# Altium PCB vestibular_vampire.PcbDoc (part 2 of 2)
Units mm, origin at the board's own origin, x right, y up, seen from the top; angles counter-clockwise.
Board outline 54.8 x 58.9 mm, 2 copper layers (Top Layer, Bottom Layer), stack 1.335 mm thick; 92 components, 56 nets, 333 pads, 112 vias.
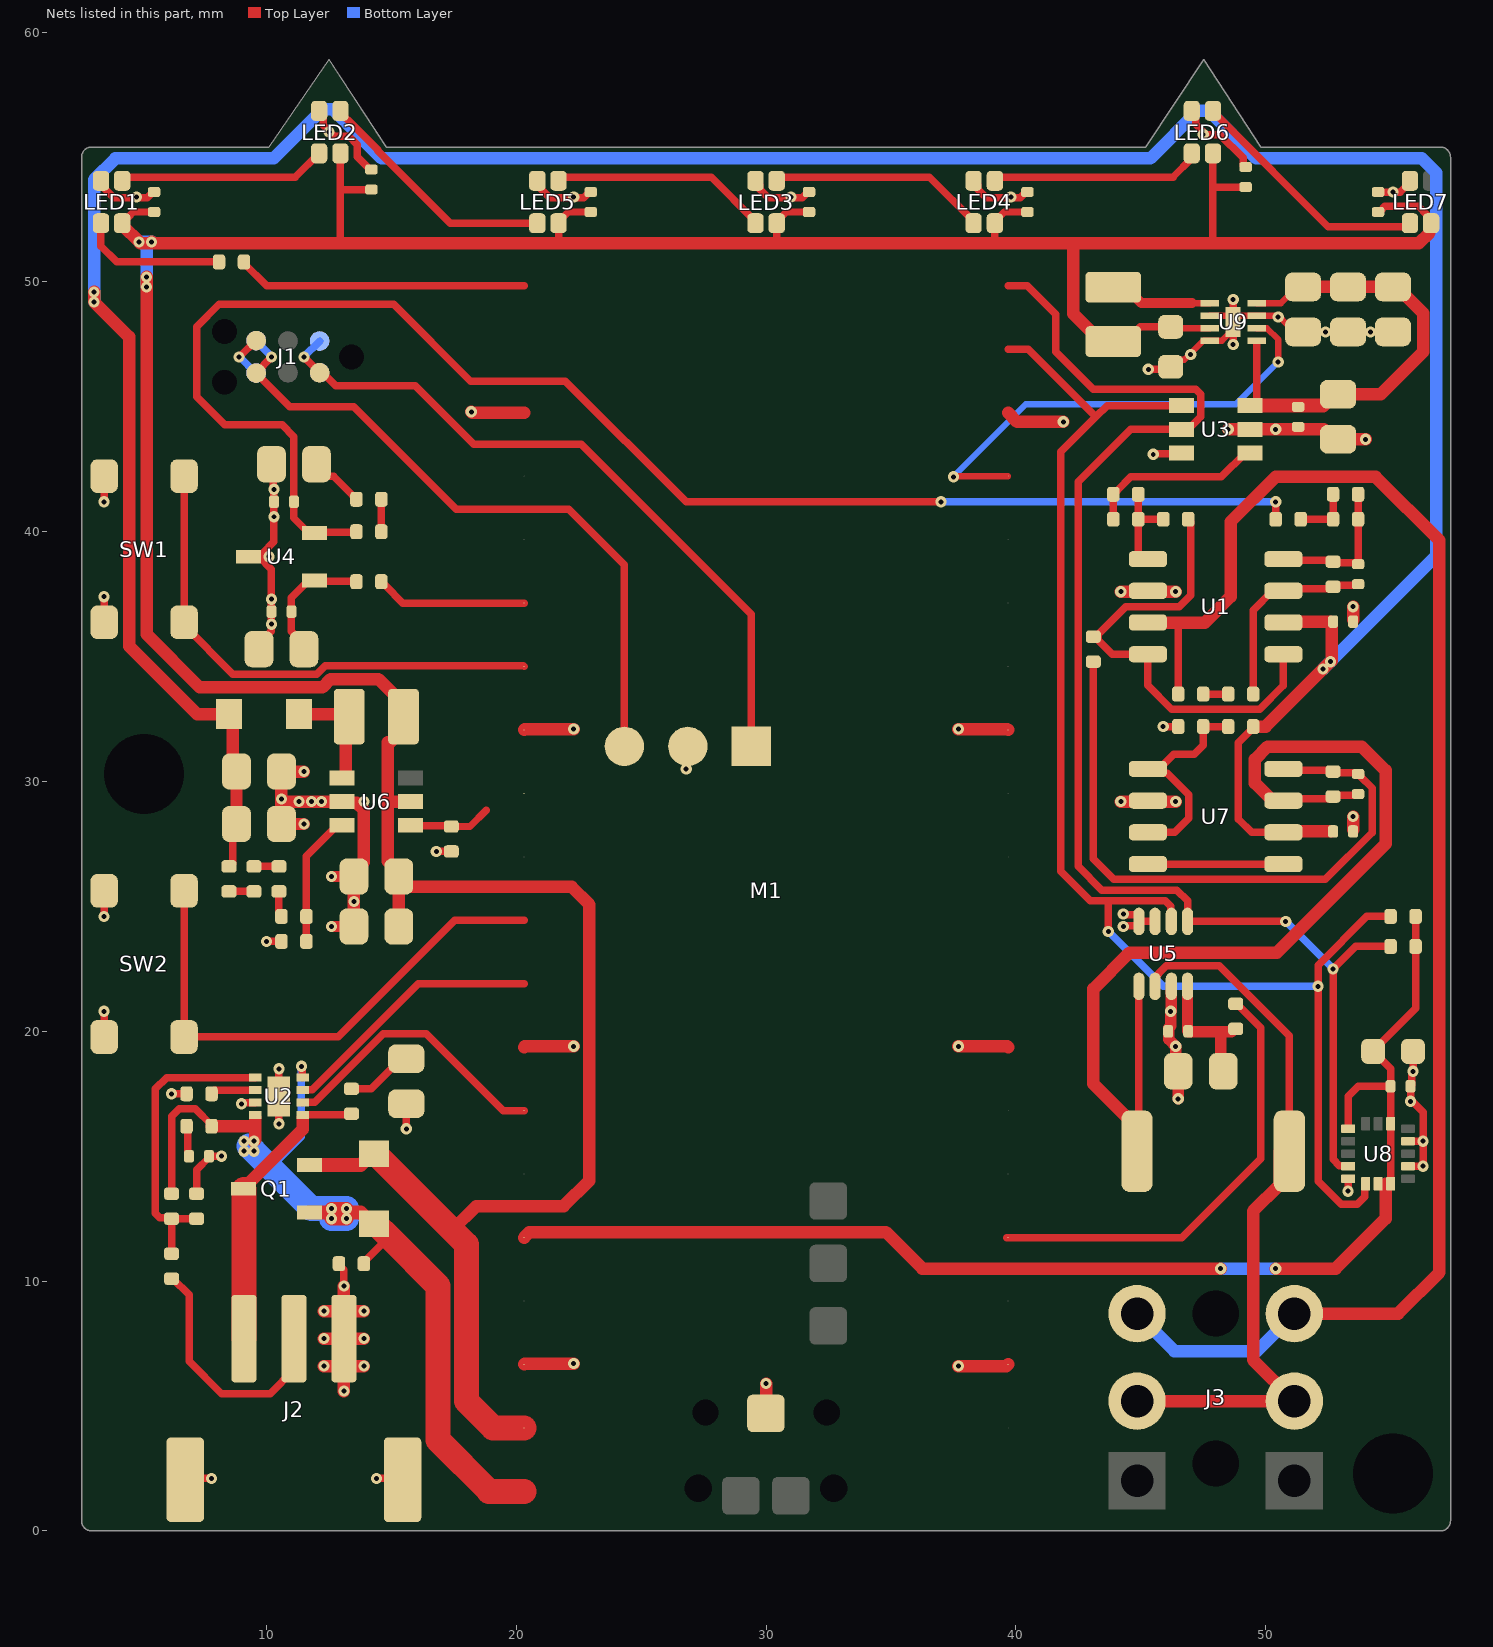
[diagram p2: the nets of this part, all layers, seen from the top]

## Part data (continued)
R4 R5 R20 R21 R26 R27 R31 R32 R33 R34 R35 R36 R37: "10 kΩ, 0402 Chip resistor", Case Code (Imperial)=0402, Case Code (Metric)=1005, Manufacturer=Yageo, Max Operating Temperature=155°C, Max Power Dissipation=63mW, Min Operating Temperature=-55°C, Power Rating=62.5mW, Resistance Tolerance=1%, Resistor Type="Thick Film", Supplier Part Number 1=311-10.0KLRCT-ND, Temperature Coefficient=100ppm/°C, Voltage Rating=50V, Case/Package=0402, Category="Chip SMD Resistors", ComponentLink1Description=https://datasheet.ciiva.com/12667/pyu-rc0402-51-rohs-l-6-r-12667067.pdf?src-supplier=Mouser, ComponentLink1URL=https://datasheet.ciiva.com/12667/pyu-rc0402-51-rohs-l-6-r-12667067.pdf?src-supplier=Mouser, Construction=Rectangular, Depth=0.5mm, Features="Moisture Resistant", house_part_number=R-10k-0402-1%-001, Lead Free=5697LeadFree, Lead Pitch=0.2mm, Length=1mm, Manufacturer Part Number=RC0402FR-0710KL, Military Standard=Not, Number of Terminations=2, Packaging="Tape and Reel", Pins=2, Pricing="1=0.1, 10=0.015, 50=0.0088, 100=0.0073, 500=0.00488, 1000=0.00417, 5000=0.00297 (USD)", Reach SVHC Compliant=Unknown, RoHS=Yes, RoHS Compliant=Yes, Series=RC, Stock=9380606, Supplier 1=Digikey, Termination=SMD/SMT, Tolerance=1%, Voltage Rating (DC)=50V, Width=0.5mm
R6: "6.8 kΩ, 0402 Chip resistor", Case Code (Imperial)=0402, Case Code (Metric)=1005, Manufacturer=Yageo, Max Operating Temperature=155°C, Max Power Dissipation=63mW, Min Operating Temperature=-55°C, Package Quantity=1, Resistance Tolerance=1%, Resistor Type="Thick Film", Supplier Part Number 1=311-6.80KLRTR-ND, Temperature Coefficient=100ppm/°C, Voltage Rating=50V, Case/Package=0402, Category="Chip SMD Resistors", ComponentLink1Description=https://datasheet.ciiva.com/11819/0900766b80c66297-11819535.pdf?src-supplier=Rs, ComponentLink1URL=https://datasheet.ciiva.com/11819/0900766b80c66297-11819535.pdf?src-supplier=Rs, ComponentLink2Description=https://datasheet.ciiva.com/2453/pyu-r-int-thick-7-2453500.pdf?src-supplier=Digikey, ComponentLink2URL=https://datasheet.ciiva.com/2453/pyu-r-int-thick-7-2453500.pdf?src-supplier=Digikey, ComponentLink3Description=https://datasheet.ciiva.com/2453/pyu-r-int-thick-7-2453501.pdf?src-supplier=Digikey, ComponentLink3URL=https://datasheet.ciiva.com/2453/pyu-r-int-thick-7-2453501.pdf?src-supplier=Digikey, ComponentLink4Description=https://datasheet.ciiva.com/2453/pyu-r-int-thick-7-2453499.pdf?src-supplier=Digikey, ComponentLink4URL=https://datasheet.ciiva.com/2453/pyu-r-int-thick-7-2453499.pdf?src-supplier=Digikey, ComponentLink5Description=https://datasheet.ciiva.com/12668/pyu-rc0402-51-rohs-l-6-r-12668201.pdf?src-supplier=Mouser, ComponentLink5URL=https://datasheet.ciiva.com/12668/pyu-rc0402-51-rohs-l-6-r-12668201.pdf?src-supplier=Mouser, ComponentLink6Description=https://datasheet.ciiva.com/7850/1018594-7850078.pdf?src-supplier=Element14, ComponentLink6URL=https://datasheet.ciiva.com/7850/1018594-7850078.pdf?src-supplier=Element14, ComponentLink7Description=https://datasheet.ciiva.com/7850/1018594-7850079.pdf?src-supplier=Element14, ComponentLink7URL=https://datasheet.ciiva.com/7850/1018594-7850079.pdf?src-supplier=Element14, ComponentLink8Description=https://datasheet.ciiva.com/16741/pyu-rc0402-51-rohs-l-6-r-16741018.pdf?src-supplier=Future+Electronics, ComponentLink8URL=https://datasheet.ciiva.com/16741/pyu-rc0402-51-rohs-l-6-r-16741018.pdf?src-supplier=Future+Electronics, Construction=Rectangular, Depth=0.5mm, Features="Moisture Resistant", Height=0.016inch, house_part_number=R-6.8k-0402-1%-001, Lead Free=5697LeadFree, Length=0.039inch, Manufacturer Part Number=RC0402FR-076K8L, Military Standard=Not, Number of Terminations=2, Packaging="Tape and Reel", Pins=2, Power Rating=63mW, Pricing 1="10000=0.00261, 20000=0.00231, 30000=0.00216, 50000=0.00199, 100000=0.00179 (USD)", Reach SVHC Compliant=No, RoHS=Yes, RoHS Compliant=Yes, Series=RC, Stock 1=627630, Supplier 1=Digikey, Technology="THICK FILM", Termination=SMD/SMT, Tolerance=1%, Voltage Rating (AC)=50V, Voltage Rating (DC)=50V, Width=0.02inch
R7: "1 kΩ, 0402 Chip resistor", Case Code (Imperial)=0402, Case Code (Metric)=1005, Manufacturer=Yageo, Max Operating Temperature=155°C, Max Power Dissipation=63mW, Min Operating Temperature=-55°C, Package Quantity=1, Power Rating=62.5mW, Resistance Tolerance=5%, Resistor Type="Thick Film", Supplier Part Number 1=311-1.0KJRCT-ND, Temperature Coefficient=100ppm/°C, Voltage Rating=50V, Case/Package=0402, Category="Chip SMD Resistors", ComponentLink1Description=https://datasheet.ciiva.com/7983/1018594-7983558.pdf?src-supplier=Element14, ComponentLink1URL=https://datasheet.ciiva.com/7983/1018594-7983558.pdf?src-supplier=Element14, ComponentLink2Description=https://datasheet.ciiva.com/2452/pyu-r-int-thick-7-2452756.pdf?src-supplier=Digikey, ComponentLink2URL=https://datasheet.ciiva.com/2452/pyu-r-int-thick-7-2452756.pdf?src-supplier=Digikey, ComponentLink3Description=https://datasheet.ciiva.com/2452/pyu-r-int-thick-7-2452757.pdf?src-supplier=Digikey, ComponentLink3URL=https://datasheet.ciiva.com/2452/pyu-r-int-thick-7-2452757.pdf?src-supplier=Digikey, ComponentLink4Description=https://datasheet.ciiva.com/2452/pyu-r-int-thick-7-2452755.pdf?src-supplier=Digikey, ComponentLink4URL=https://datasheet.ciiva.com/2452/pyu-r-int-thick-7-2452755.pdf?src-supplier=Digikey, ComponentLink5Description=https://datasheet.ciiva.com/7850/1018594-7850170.pdf?src-supplier=Element14, ComponentLink5URL=https://datasheet.ciiva.com/7850/1018594-7850170.pdf?src-supplier=Element14, ComponentLink6Description=https://datasheet.ciiva.com/7850/1018594-7850171.pdf?src-supplier=Element14, ComponentLink6URL=https://datasheet.ciiva.com/7850/1018594-7850171.pdf?src-supplier=Element14, ComponentLink7Description=https://datasheet.ciiva.com/17081/pyu-rc0402-51-rohs-l-6-r-17081438.pdf?src-supplier=Future+Electronics, ComponentLink7URL=https://datasheet.ciiva.com/17081/pyu-rc0402-51-rohs-l-6-r-17081438.pdf?src-supplier=Future+Electronics, Features="Moisture Resistant", Height=0.016inch, house_part_number=R-1k-0402-1%-001, Lead Free=5697LeadFree, Length=0.039inch, Manufacturer Part Number=RC0402JR-071KL, Number of Terminations=2, Packaging="Cut Tape", Pricing="1=0.1, 10=0.018, 50=0.0102, 100=0.0083, 500=0.00528, 1000=0.00444, 5000=0.00307 (USD)", Reach SVHC Compliant=No, RoHS=Yes, RoHS Compliant=Yes, Series=RC, Stock=15490862, Supplier 1=Digikey, Termination=SMD/SMT, Tolerance=5%, Voltage Rating (AC)=50V, Width=0.02inch
R10 R14 R15 R16 R17: "100 kΩ, 0402 Chip resistor", Case Code (Imperial)=0402, Case Code (Metric)=1005, Manufacturer=Yageo, Max Operating Temperature=155°C, Max Power Dissipation=63mW, Min Operating Temperature=-55°C, Package Quantity=1, Resistance Tolerance=1%, Resistor Type="Thick Film", Supplier Part Number 1=6468466, Temperature Coefficient=100ppm/°C, Voltage Rating=50V, Case/Package=0402, Category="Chip SMD Resistors", ComponentLink1Description=https://datasheet.ciiva.com/11819/0900766b80c66297-11819452.pdf?src-supplier=Rs, ComponentLink1URL=https://datasheet.ciiva.com/11819/0900766b80c66297-11819452.pdf?src-supplier=Rs, ComponentLink2Description=https://datasheet.ciiva.com/22747/1018594-22747509.pdf?src-supplier=Element14, ComponentLink2URL=https://datasheet.ciiva.com/22747/1018594-22747509.pdf?src-supplier=Element14, ComponentLink3Description=https://datasheet.ciiva.com/2453/pyu-r-int-thick-7-2453362.pdf?src-supplier=Digikey, ComponentLink3URL=https://datasheet.ciiva.com/2453/pyu-r-int-thick-7-2453362.pdf?src-supplier=Digikey, ComponentLink4Description=https://datasheet.ciiva.com/12667/pyu-rc0402-51-rohs-l-6-r-12667930.pdf?src-supplier=Mouser, ComponentLink4URL=https://datasheet.ciiva.com/12667/pyu-rc0402-51-rohs-l-6-r-12667930.pdf?src-supplier=Mouser, ComponentLink5Description=https://datasheet.ciiva.com/15189/getdatasheetpartid-323696-15189334.pdf?src-supplier=Verical, ComponentLink5URL=https://datasheet.ciiva.com/15189/getdatasheetpartid-323696-15189334.pdf?src-supplier=Verical, ComponentLink6Description=https://datasheet.ciiva.com/2453/pyu-r-int-thick-7-2453363.pdf?src-supplier=Digikey, ComponentLink6URL=https://datasheet.ciiva.com/2453/pyu-r-int-thick-7-2453363.pdf?src-supplier=Digikey, ComponentLink7Description=https://datasheet.ciiva.com/2453/pyu-r-int-thick-7-2453361.pdf?src-supplier=Digikey, ComponentLink7URL=https://datasheet.ciiva.com/2453/pyu-r-int-thick-7-2453361.pdf?src-supplier=Digikey, Construction=Rectangular, Depth=0.5mm, Features="Moisture Resistant", Height=0.016inch, house_part_number=R-100k-0402-1%-001, Lead Free=5697LeadFree, Length=0.039inch, Manufacturer Part Number=RC0402FR-07100KL, Military Standard=Not, Number of Terminations=2, Packaging="Tape and Reel", Power Rating=63mW, Pricing="10000=0.0012, 50000=0.0011, 100000=0.0011, 250000=0.001, 300000=0.001, 500000=0.001, 750000=0.001, 1500000=0.0009, 2000000=0.0009 (USD)", Reach SVHC Compliant=No, RoHS=Yes, RoHS Compliant=Yes, Series=RC, Stock=44340000, Supplier 1="Future Electronics", Technology="THICK FILM", Termination=SMD/SMT, Tolerance=1%, Voltage Rating (AC)=50V, Width=0.02inch
R25: "100 Ω, 0402 Chip resistor", Case Code (Imperial)=0402, Case Code (Metric)=1005, Manufacturer="Stackpole Electronics", Max Operating Temperature=155°C, Max Power Dissipation=63mW, Min Operating Temperature=-55°C, Power Rating=62.5mW, Resistance=100Ω, Resistor Type="Thick Film", Supplier Part Number 1=RMCF0402FT100RCT-ND, Temperature Coefficient=100ppm/°C, Tolerance=1%, Case/Package=0402, Category="Chip SMD Resistors", ComponentLink1Description=http://components.arrow.com/part/dataview/50497758S7215546N1174?src-supplier=Arrow+Electronics, ComponentLink1URL=http://components.arrow.com/part/dataview/50497758S7215546N1174?src-supplier=Arrow+Electronics, ComponentLink2Description=https://www.seielect.com/catalog/sei-rmcf_rmcp.pdf?src-supplier=Digi-Key, ComponentLink2URL=https://www.seielect.com/catalog/sei-rmcf_rmcp.pdf?src-supplier=Digi-Key, ComponentLink3Description=https://www.seielect.com/Catalog/SEI-RMCF_RMCP.pdf?src-supplier=Avnet, ComponentLink3URL=https://www.seielect.com/Catalog/SEI-RMCF_RMCP.pdf?src-supplier=Avnet, ComponentLink4Description=https://www.verical.com/server-webapp/html/getDatasheet?partID=368652&src-supplier=Verical, ComponentLink4URL=https://www.verical.com/server-webapp/html/getDatasheet?partID=368652&src-supplier=Verical, ComponentLink5Description=https://www.seielect.com/Catalog/SEI-RMCF_RMCP.pdf?src-supplier=Avnet+Asia, ComponentLink5URL=https://www.seielect.com/Catalog/SEI-RMCF_RMCP.pdf?src-supplier=Avnet+Asia, Construction=Rectangular, Contact Plating=Tin,Matte, Depth=0.5mm, Features="Automotive AEC-Q200", Height=0.016inch, house_part_number=R-100-0402-1%-001, Lead Free="Lead Free", Length=1mm, Manufacturer Part Number=RMCF0402FT100R, Military Standard=Not, Mount="Surface Mount", Number of Terminations=2, Packaging="Tape and Reel", Pricing 1="1=0.10000, 10=0.01300, 100=0.00530, 1000=0.00238, 2500=0.00207, 5000=0.00171 (USD)", RoHS=Yes, RoHS Compliant=Yes, Series=RMCF, Stock 1=188482, Supplier 1=Digi-Key, Width=0.02inch
R28: "30 Ω, 1%, 0402 Chip resistor", Case Code (Imperial)=0402, Case Code (Metric)=1005, Manufacturer="Yageo Group", Max Operating Temperature=155°C, Min Operating Temperature=-55°C, Power Dissipation=62.5mW, Power Rating=63mW, Supplier Part Number 1=311-30LRCT-ND, Temperature Coefficient=100ppm/°C, Tolerance=1%, Voltage Rating=50V, Case/Package=0402, Category="Chip SMD Resistors", China RoHS=Non-Compliant, ComponentLink1Description=https://datasheet.octopart.com:443/RC0402FR-0730RL-Yageo-datasheet-175887523.pdf?src-supplier=Newark, ComponentLink1URL=https://datasheet.octopart.com:443/RC0402FR-0730RL-Yageo-datasheet-175887523.pdf?src-supplier=Newark, ComponentLink2Description=https://datasheet.octopart.com:443/RC0402FR-0730RL-Yageo-datasheet-8324527.pdf?src-supplier=Newark, ComponentLink2URL=https://datasheet.octopart.com:443/RC0402FR-0730RL-Yageo-datasheet-8324527.pdf?src-supplier=Newark, ComponentLink3Description=https://datasheet.octopart.com:443/RC0402FR-0730RL-Yageo-datasheet-103092701.pdf?src-supplier=Upverter, ComponentLink3URL=https://datasheet.octopart.com:443/RC0402FR-0730RL-Yageo-datasheet-103092701.pdf?src-supplier=Upverter, ComponentLink4Description=https://datasheet.octopart.com:443/RC0402FR-0730RL-Yageo-Group-datasheet-189192902.pdf?src-supplier=TME, ComponentLink4URL=https://datasheet.octopart.com:443/RC0402FR-0730RL-Yageo-Group-datasheet-189192902.pdf?src-supplier=TME, ComponentLink5Description=https://datasheet.octopart.com:443/RC0402FR-0730RL-Yageo-datasheet-10408619.pdf?src-supplier=element14+APAC, ComponentLink5URL=https://datasheet.octopart.com:443/RC0402FR-0730RL-Yageo-datasheet-10408619.pdf?src-supplier=element14+APAC, ComponentLink6Description=https://datasheet.octopart.com:443/RC0402FR-0730RL-Yageo-datasheet-62067350.pdf?src-supplier=element14+APAC, ComponentLink6URL=https://datasheet.octopart.com:443/RC0402FR-0730RL-Yageo-datasheet-62067350.pdf?src-supplier=element14+APAC, ComponentLink7Description=https://datasheet.octopart.com:443/RC0402FR-0730RL-Yageo-datasheet-176638170.pdf?src-supplier=JRH+Electronics, ComponentLink7URL=https://datasheet.octopart.com:443/RC0402FR-0730RL-Yageo-datasheet-176638170.pdf?src-supplier=JRH+Electronics, ComponentLink8Description=https://datasheet.octopart.com:443/RC0402FR-0730RL-Yageo-datasheet-164759695.pdf?src-supplier=Future+Electronics, ComponentLink8URL=https://datasheet.octopart.com:443/RC0402FR-0730RL-Yageo-datasheet-164759695.pdf?src-supplier=Future+Electronics, ComponentLink9Description=https://datasheet.octopart.com:443/RC0402FR-0730RL-Yageo-datasheet-137700087.pdf?src-supplier=Future+Electronics, ComponentLink9URL=https://datasheet.octopart.com:443/RC0402FR-0730RL-Yageo-datasheet-137700087.pdf?src-supplier=Future+Electronics, ComponentLink10Description=https://datasheet.octopart.com:443/RC0402FR-0730RL-Yageo-datasheet-12531192.pdf?src-supplier=Future+Electronics, ComponentLink10URL=https://datasheet.octopart.com:443/RC0402FR-0730RL-Yageo-datasheet-12531192.pdf?src-supplier=Future+Electronics, ComponentLink11Description=https://datasheet.octopart.com/RC0402FR-0730RL-Yageo-datasheet-73766026.pdf, ComponentLink11URL=https://datasheet.octopart.com/RC0402FR-0730RL-Yageo-datasheet-73766026.pdf, ComponentLink12Description=http://sigma.octopart.com:80/rohs_statement/Yageo-company-2.pdf?src-supplier=Compliance+Statements, ComponentLink12URL=http://sigma.octopart.com:80/rohs_statement/Yageo-company-2.pdf?src-supplier=Compliance+Statements, ComponentLink13Description=http://sigma.octopart.com:80/conflict_mineral_statement/Yageo-company-3.pdf?src-supplier=Compliance+Statements, ComponentLink13URL=http://sigma.octopart.com:80/conflict_mineral_statement/Yageo-company-3.pdf?src-supplier=Compliance+Statements, Composition="Thick Film", Contact Plating=Tin, Depth=500µm, Height=350µm, Lead Free="Lead Free", Length=1mm, Lifecycle Status=Production, Manufacturer Part Number=RC0402FR-0730RL, Military Standard=Not, Mounting Technology="Surface Mount", Number of Terminals=2, Packaging="Cut Tape", Pins=2, Pricing 1="1=0.1, 10=0.009, 25=0.0068, 50=0.004, 100=0.0033 (USD)", REACH SVHC=Yes, RoHS=Compliant, Schedule B="8533210045, 8533210045|8533210045|8533210045|8533210045|8533210045", Stock 1=283925, Supplier 1=DigiKey, Termination=SMD/SMT, Voltage Rating (DC)=50V, Width=500µm, Working Voltage=50V
R29: "100 mΩ, 1%, 100ppm/℃, 2W, 2512 Chip Resistor", Case/Package=2512, Manufacturer="Yageo Group", Max Operating Temperature=155°C, Max Power Dissipation=2W, Min Operating Temperature=-55°C, Supplier Part Number 1=13-PT2512FK-7W0R1LCT-ND, Temperature Coefficient=100ppm/°C, Tolerance=1%, Working Voltage=447mV, Category="Chip SMD Resistors", ComponentLink1Description=https://datasheet.octopart.com:443/PT2512FK-7W0R1L-Yageo-datasheet-182189530.pdf?src-supplier=IHS, ComponentLink1URL=https://datasheet.octopart.com:443/PT2512FK-7W0R1L-Yageo-datasheet-182189530.pdf?src-supplier=IHS, ComponentLink2Description=https://datasheet.octopart.com:443/PT2512FK-7W0R1L-Yageo-datasheet-137700561.pdf?src-supplier=Farnell, ComponentLink2URL=https://datasheet.octopart.com:443/PT2512FK-7W0R1L-Yageo-datasheet-137700561.pdf?src-supplier=Farnell, ComponentLink3Description=https://datasheet.octopart.com/PT2512FK-7W0R1L-Yageo-datasheet-86814862.pdf, ComponentLink3URL=https://datasheet.octopart.com/PT2512FK-7W0R1L-Yageo-datasheet-86814862.pdf, ComponentLink4Description=http://sigma.octopart.com:80/rohs_statement/Yageo-company-2.pdf?src-supplier=Compliance+Statements, ComponentLink4URL=http://sigma.octopart.com:80/rohs_statement/Yageo-company-2.pdf?src-supplier=Compliance+Statements, ComponentLink5Description=http://sigma.octopart.com:80/conflict_mineral_statement/Yageo-company-3.pdf?src-supplier=Compliance+Statements, ComponentLink5URL=http://sigma.octopart.com:80/conflict_mineral_statement/Yageo-company-3.pdf?src-supplier=Compliance+Statements, Composition="Thick Film", Features="Automotive AEC-Q200, Moisture Resistant", Height=550µm, Length=6.35mm, Lifecycle Status=Production, Manufacturer Part Number=PT2512FK-7W0R1L, Mounting Technology="Surface Mount", Number of Terminals=2, Number of Terminations=2, Power Dissipation=2W, Pricing 1="1=0.71, 10=0.461, 25=0.3924, 50=0.3494, 100=0.313, 250=0.27296, 500=0.2479, 1000=0.22662 (USD)", REACH SVHC=Yes, RoHS=Compliant, Supplier 1=DigiKey, Width=3.2mm
SW1 SW2: "Tactile switch, SPST", Max Operating Temperature=70°C, Min Operating Temperature=-20°C, Operating Force=260gf, Ratings=IP40, Actuator Type=Standard, Category="Tactile Switches", ComponentLink1Description=https://www.ckswitches.com/media/2567/pts647.pdf?src-supplier=Digi-Key, ComponentLink1URL=https://www.ckswitches.com/media/2567/pts647.pdf?src-supplier=Digi-Key, Height=8mm, house_part_number=SW-TAC-4.5-8-260gf, Illumination Type=Non-Illuminated, Manufacturer Part Number=TSC015A08026B, Mechanical Life=100000Cycles, Mount="Surface Mount", Packaging="Tape and Reel", Pricing 1="1=0.13000, 10=0.12700, 25=0.12080, 100=0.10970, 250=0.10308, 500=0.09432, 1000=0.07897 (USD)", RoHS=No, Stock 1=68566, Switch Function=Off-Mom, Switch Travel=0.25mm, Termination="Gull Wing", Throw Configuration=SPST
U1 U7: "Op-Amp, 5-44 V, SOIC-8", Ambient Temperature Range High=105°C, Case/Package=SOIC-8, Input Bias Current=-15nA, Input Offset Voltage (Vos)=200µV, Manufacturer="Texas Instruments", Manufacturer Lifecycle Status=ACTIVE, Max Dual Supply Voltage=22V, Max Junction Temperature (Tj)=150°C, Max Supply Voltage=30V, Min Dual Supply Voltage=2V, Min Operating Temperature=-40°C, Min Supply Voltage=5V, Nominal Supply Current=350µA, Output Current per Channel=25mA, Supplier Part Number 1=C177140, Voltage Gain=120dB, Bandwidth=1MHz, Category="Amplifiers - Op Amps, Buffer, Instrumentation", Common Mode Rejection Ratio=97dB, ComponentLink1Description=https://octopart.com:443/opatz8j6/c1?t=M0cShFGUicegvLtuJ8-zs80pXCwKzPiMDfXh6-JTafKhOGkvmMbrbDOg59FWK180Hgcjh15YrgijTlzM1MQuPq40am12GMlhmTgFy1qRP_KCXoXJDs106NH1KBLm8tXuipKWnQXtF43MTIKlBHKkohhW4hOkcw2aK72GO3jP4nGAq-PKP9ZyrZWAbdm3b52rhLG0hkAVfGKswW3joJ7vh5DhYPJWbTvPhAbR8fO8VPXhxLQM_jY_VT1wzAmnyheMOpOCMWHZ9EDcKaKFaiylEQig-uIOmFPvjOgFNBLduZO8eK__Uds4HhdSl55DCMz9u54MsLGNxZV-EWbAqBfnwHirGA5M-fHWLMAxe_jbIe9TaaBizE_qMUTQwbY40qDj2r7m&src-supplier=Texas+Instruments, ComponentLink1URL=https://octopart.com:443/opatz8j6/c1?t=M0cShFGUicegvLtuJ8-zs80pXCwKzPiMDfXh6-JTafKhOGkvmMbrbDOg59FWK180Hgcjh15YrgijTlzM1MQuPq40am12GMlhmTgFy1qRP_KCXoXJDs106NH1KBLm8tXuipKWnQXtF43MTIKlBHKkohhW4hOkcw2aK72GO3jP4nGAq-PKP9ZyrZWAbdm3b52rhLG0hkAVfGKswW3joJ7vh5DhYPJWbTvPhAbR8fO8VPXhxLQM_jY_VT1wzAmnyheMOpOCMWHZ9EDcKaKFaiylEQig-uIOmFPvjOgFNBLduZO8eK__Uds4HhdSl55DCMz9u54MsLGNxZV-EWbAqBfnwHirGA5M-fHWLMAxe_jbIe9TaaBizE_qMUTQwbY40qDj2r7m&src-supplier=Texas+Instruments, ComponentLink2Description=https://datasheet.octopart.com:443/LT1013DIDR-Texas-Instruments-datasheet-41214033.pdf?src-supplier=Texas+Instruments, ComponentLink2URL=https://datasheet.octopart.com:443/LT1013DIDR-Texas-Instruments-datasheet-41214033.pdf?src-supplier=Texas+Instruments, ComponentLink3Description=https://datasheet.octopart.com:443/LT1013DIDR-Texas-Instruments-datasheet-10254874.pdf?src-supplier=Texas+Instruments, ComponentLink3URL=https://datasheet.octopart.com:443/LT1013DIDR-Texas-Instruments-datasheet-10254874.pdf?src-supplier=Texas+Instruments, ComponentLink4Description=https://sigma.octopart.com:443/49249642/technical_drawing/Texas-Instruments-LT1013DIDR.pdf?src-supplier=Texas+Instruments, ComponentLink4URL=https://sigma.octopart.com:443/49249642/technical_drawing/Texas-Instruments-LT1013DIDR.pdf?src-supplier=Texas+Instruments, ComponentLink5Description=https://datasheet.octopart.com:443/LT1013DIDR-Texas-Instruments-datasheet-10254053.pdf?src-supplier=Texas+Instruments, ComponentLink5URL=https://datasheet.octopart.com:443/LT1013DIDR-Texas-Instruments-datasheet-10254053.pdf?src-supplier=Texas+Instruments, ComponentLink6Description=https://datasheet.octopart.com:443/LT1013DIDR-Texas-Instruments-datasheet-148846.pdf?src-supplier=Texas+Instruments, ComponentLink6URL=https://datasheet.octopart.com:443/LT1013DIDR-Texas-Instruments-datasheet-148846.pdf?src-supplier=Texas+Instruments, ComponentLink7Description=https://datasheet.octopart.com:443/LT1013DIDR-Texas-Instruments-datasheet-151281.pdf?src-supplier=Texas+Instruments, ComponentLink7URL=https://datasheet.octopart.com:443/LT1013DIDR-Texas-Instruments-datasheet-151281.pdf?src-supplier=Texas+Instruments, ComponentLink8Description=https://datasheet.octopart.com:443/LT1013DIDR-Texas-Instruments-datasheet-148794836.pdf?src-supplier=Upverter, ComponentLink8URL=https://datasheet.octopart.com:443/LT1013DIDR-Texas-Instruments-datasheet-148794836.pdf?src-supplier=Upverter, ComponentLink9Description=https://datasheet.octopart.com:443/LT1013DIDR-Texas-Instruments-datasheet-82285550.pdf?src-supplier=element14+APAC, ComponentLink9URL=https://datasheet.octopart.com:443/LT1013DIDR-Texas-Instruments-datasheet-82285550.pdf?src-supplier=element14+APAC, ComponentLink10Description=https://datasheet.octopart.com:443/LT1013DIDR.-Texas-Instruments-datasheet-33010526.pdf?src-supplier=element14+APAC, ComponentLink10URL=https://datasheet.octopart.com:443/LT1013DIDR.-Texas-Instruments-datasheet-33010526.pdf?src-supplier=element14+APAC, ComponentLink11Description=https://datasheet.octopart.com:443/LT1013DIDR-Texas-Instruments-datasheet-20866108.pdf?src-supplier=Newark, ComponentLink11URL=https://datasheet.octopart.com:443/LT1013DIDR-Texas-Instruments-datasheet-20866108.pdf?src-supplier=Newark, ComponentLink12Description=https://datasheet.octopart.com:443/LT1013DIDR-Texas-Instruments-datasheet-11521414.pdf?src-supplier=Newark, ComponentLink12URL=https://datasheet.octopart.com:443/LT1013DIDR-Texas-Instruments-datasheet-11521414.pdf?src-supplier=Newark, ComponentLink13Description=https://datasheet.octopart.com:443/LT1013DIDR-Texas-Instruments-datasheet-14138854.pdf?src-supplier=iiiC, ComponentLink13URL=https://datasheet.octopart.com:443/LT1013DIDR-Texas-Instruments-datasheet-14138854.pdf?src-supplier=iiiC, ComponentLink14Description=https://datasheet.octopart.com:443/LT1013DIDR-Texas-Instruments-datasheet-14436488.pdf?src-supplier=Factory+Futures, ComponentLink14URL=https://datasheet.octopart.com:443/LT1013DIDR-Texas-Instruments-datasheet-14436488.pdf?src-supplier=Factory+Futures, ComponentLink15Description=https://datasheet.octopart.com:443/LT1013DIDR-Texas-Instruments-datasheet-8205012.pdf?src-supplier=Jameco, ComponentLink15URL=https://datasheet.octopart.com:443/LT1013DIDR-Texas-Instruments-datasheet-8205012.pdf?src-supplier=Jameco, ComponentLink16Description=https://datasheet.octopart.com:443/LT1013DIDR-Texas-Instruments-datasheet-9056.pdf?src-supplier=DigiKey, ComponentLink16URL=https://datasheet.octopart.com:443/LT1013DIDR-Texas-Instruments-datasheet-9056.pdf?src-supplier=DigiKey, ComponentLink17Description=http://sigma.octopart.com:80/conflict_mineral_statement/Texas-Instruments-company-63.pdf?src-supplier=Compliance+Statements, ComponentLink17URL=http://sigma.octopart.com:80/conflict_mineral_statement/Texas-Instruments-company-63.pdf?src-supplier=Compliance+Statements, ComponentLink18Description=http://sigma.octopart.com:80/reach_statement/Texas-Instruments-company-64.pdf?src-supplier=Compliance+Statements, ComponentLink18URL=http://sigma.octopart.com:80/reach_statement/Texas-Instruments-company-64.pdf?src-supplier=Compliance+Statements, Contact Plating=Gold, Gain Bandwidth Product=1MHz, Height=1.75mm, Lead Free="Lead Free", Length=4.9mm, Lifecycle Status=Production, Manufacturer Part Number=LT1013DIDR, Max Operating Temperature=105°C, Mounting Technology="Surface Mount", Number of Amplifiers=2, Number of Channels=2, Number of Circuits=2, Number of Elements=2, Operating Supply Current=350µA, Operating Supply Voltage=22V, Packaging="Cut Tape", Pins=8, Pricing 1="1=10.5871, 1=1.2745, 1=11.5575, 1=1.4483, 10=8.8042, 10=1.0599, 10=9.6112, 10=1.2044, 30=7.8217, 30=0.9416, 30=8.5386, 30=1.07, 100=6.7048, 100=0.8072, 100=7.3193, 100=0.9172, 500=6.2077, 500=0.7473, 500=6.7767, 500=0.8492, 1000=5.9935, 1000=0.7216, 1000=6.5428, 1000=0.8199 (CNY)", Radiation Hardening=No, REACH SVHC=No, RoHS=Compliant, Schedule B="8542330000, 8542330000|8542330000|8542330000|8542330000|8542330000", Slew Rate=0.4V/µs, Stock 1=2755, Supplier 1=LCSC, Thickness=1.58mm, Width=3.91mm
U2: library part LGS4056H, "Battery Charger, DFN-8(2x2)", Case/Package=DFN-8(2x2), Manufacturer Part Number=LGS4056HDA, Package=DFN-8, Supplier Part Number 1=C5124109, house_part_number=LGS4056HDA, Supplier 1=LCSC
U3: library part MCP4725A0T-E/CH, "DAC, 12-bit, SOT-23-6", Ambient Temperature Range High=125°C, Case/Package=SOT-23-6, Input Offset Voltage (Vos)=1.1mV, Manufacturer=Microchip, Manufacturer Package Identifier=C04-028-CHY, Max Junction Temperature (Tj)=150°C, Max Supply Voltage=5.5V, Min Operating Temperature=-40°C, Min Supply Voltage=2.7V, Nominal Supply Current=210µA, Supplier Part Number 1=C144198, Category="Digital to Analog Converters (DACs)", ComponentLink1Description=https://datasheet.octopart.com:443/MCP4725A0T-E/CH-Microchip-datasheet-11052695.pdf?src-supplier=SHENGYU+ELECTRONICS, ComponentLink1URL=https://datasheet.octopart.com:443/MCP4725A0T-E/CH-Microchip-datasheet-11052695.pdf?src-supplier=SHENGYU+ELECTRONICS, ComponentLink2Description=https://datasheet.octopart.com:443/MCP4725A0T-E/CH-Microchip-datasheet-660622.pdf?src-supplier=Electro+Sonic, ComponentLink2URL=https://datasheet.octopart.com:443/MCP4725A0T-E/CH-Microchip-datasheet-660622.pdf?src-supplier=Electro+Sonic, ComponentLink3Description=https://datasheet.octopart.com:443/MCP4725A0T-E-CH-Microchip-datasheet-175858725.pdf?src-supplier=Microchip, ComponentLink3URL=https://datasheet.octopart.com:443/MCP4725A0T-E-CH-Microchip-datasheet-175858725.pdf?src-supplier=Microchip, ComponentLink4Description=https://datasheet.octopart.com:443/MCP4725A0T-E-CH-Microchip-datasheet-140568178.pdf?src-supplier=Arrow.cn, ComponentLink4URL=https://datasheet.octopart.com:443/MCP4725A0T-E-CH-Microchip-datasheet-140568178.pdf?src-supplier=Arrow.cn, ComponentLink5Description=https://datasheet.octopart.com:443/MCP4725A0T-E-CH-Microchip-datasheet-166018867.pdf?src-supplier=Augswan, ComponentLink5URL=https://datasheet.octopart.com:443/MCP4725A0T-E-CH-Microchip-datasheet-166018867.pdf?src-supplier=Augswan, ComponentLink6Description=http://sigma.octopart.com:80/188449425/materials_sheet/Microchip-MCP4725A0T-E-CH.pdf?src-supplier=Compliance+Statements, ComponentLink6URL=http://sigma.octopart.com:80/188449425/materials_sheet/Microchip-MCP4725A0T-E-CH.pdf?src-supplier=Compliance+Statements, ComponentLink7Description=http://sigma.octopart.com:80/conflict_mineral_statement/Microchip-company-68.pdf?src-supplier=Compliance+Statements, ComponentLink7URL=http://sigma.octopart.com:80/conflict_mineral_statement/Microchip-company-68.pdf?src-supplier=Compliance+Statements, ComponentLink8Description=http://sigma.octopart.com:80/conflict_mineral_statement/Microchip-company-69.pdf?src-supplier=Compliance+Statements, ComponentLink8URL=http://sigma.octopart.com:80/conflict_mineral_statement/Microchip-company-69.pdf?src-supplier=Compliance+Statements, ComponentLink9Description=http://sigma.octopart.com:80/reach_statement/Microchip-company-70.pdf?src-supplier=Compliance+Statements, ComponentLink9URL=http://sigma.octopart.com:80/reach_statement/Microchip-company-70.pdf?src-supplier=Compliance+Statements, ComponentLink10Description=http://sigma.octopart.com:80/rohs_statement/Microchip-company-71.pdf?src-supplier=Compliance+Statements, ComponentLink10URL=http://sigma.octopart.com:80/rohs_statement/Microchip-company-71.pdf?src-supplier=Compliance+Statements, Contact Plating=Tin, Country of Assembly=Thailand, Country of Fabrication="United States of America", Country of Origin=Thailand, Export Control Classification Number (ECCN) Code=EAR99, Harmonized Tariff Schedule (HTS) Code=8542.39.0040, Height=1.45mm, Integral Nonlinearity (INL)=14.5LSB, Interface=I2C, Introduction Date=2007-10-26, Lead Free="Lead Free", Length=3.1mm, Lifecycle Status=Production, Manufacturer Part Number=MCP4725A0T-E/CH, Max Operating Temperature=125°C, Mounting Technology="Surface Mount", Number of Bits=12, Number of Channels=1, Number of Converters=1, Number of D/A Converters=1, Number of DAC Channels=1, Number of Outputs=1, Output Type=Voltage, Packaging="Cut Tape", Pins=6, Polarity=Unipolar, Pricing 1="1=6.7252, 1=0.8004, 1=7.3416, 1=0.92, 10=5.9073, 10=0.7031, 10=6.4487, 10=0.8081, 30=5.1339, 30=0.611, 30=5.6044, 30=0.7023, 100=4.5622, 100=0.543, 100=4.9804, 100=0.6241, 500=4.3268, 500=0.515, 500=4.7234, 500=0.5919, 1000=4.2033, 1000=0.5003, 1000=4.5885, 1000=0.575 (CNY)", Projected EOL Date=2034-10-26, Radiation Hardening=No, REACH SVHC=No, Resolution=1.5B, RoHS=Compliant, Schedule B="8542390000, 8542390000|8542390000|8542390000|8542390000|8542390000", Settling Time=6µs, Stock 1=11398, Supplier 1=LCSC, Supply Type=Single, Termination=SMD/SMT, Width=1.8mm
U4: library part ISL60002DIH326Z-TK, "2.6 V, ±5.0mV, 20ppm/°C, 7 mA Precision Voltage Reference, SOT-23-3", Case/Package=SOT-23-3, Manufacturer=Renesas, Manufacturer Lifecycle Status=ACTIVE, Max Operating Temperature=85°C, Max Output current=7mA, Max Output Voltage=2.6V, Max Supply Current=900nA, Max Supply Voltage=5.5V, Min Input Voltage=2.8V, Min Operating Temperature=-40°C, Min Output Voltage=-2.4V, Operating Supply Voltage=3V, Supplier Part Number 1=C152385, Temperature Coefficient=20ppm/°C, Tolerance=0.19%, Category="Voltage References", ComponentLink1Description=https://datasheet.octopart.com:443/ISL60002DIH326Z-TK-Renesas-datasheet-181194884.pdf?src-supplier=IHS, ComponentLink1URL=https://datasheet.octopart.com:443/ISL60002DIH326Z-TK-Renesas-datasheet-181194884.pdf?src-supplier=IHS, ComponentLink2Description=https://datasheet.octopart.com:443/ISL60002DIH326Z-TK-Intersil-datasheet-93396614.pdf?src-supplier=IHS, ComponentLink2URL=https://datasheet.octopart.com:443/ISL60002DIH326Z-TK-Intersil-datasheet-93396614.pdf?src-supplier=IHS, ComponentLink3Description=https://datasheet.octopart.com:443/ISL60002DIH326Z-TK-Renesas-datasheet-179182157.pdf?src-supplier=Integrated+Device+Technology, ComponentLink3URL=https://datasheet.octopart.com:443/ISL60002DIH326Z-TK-Renesas-datasheet-179182157.pdf?src-supplier=Integrated+Device+Technology, ComponentLink4Description=https://datasheet.octopart.com:443/ISL60002DIH326Z-TK-Renesas-datasheet-149187340.pdf?src-supplier=Integrated+Device+Technology, ComponentLink4URL=https://datasheet.octopart.com:443/ISL60002DIH326Z-TK-Renesas-datasheet-149187340.pdf?src-supplier=Integrated+Device+Technology, ComponentLink5Description=https://datasheet.octopart.com:443/ISL60002DIH326Z-TK-Renesas-datasheet-137927834.pdf?src-supplier=Renesas, ComponentLink5URL=https://datasheet.octopart.com:443/ISL60002DIH326Z-TK-Renesas-datasheet-137927834.pdf?src-supplier=Renesas, ComponentLink6Description=https://datasheet.octopart.com:443/ISL60002DIH326Z-TK-Intersil-datasheet-11480143.pdf?src-supplier=Newark, ComponentLink6URL=https://datasheet.octopart.com:443/ISL60002DIH326Z-TK-Intersil-datasheet-11480143.pdf?src-supplier=Newark, ComponentLink7Description=https://datasheet.octopart.com:443/ISL60002DIH326Z-TK-Renesas-datasheet-23692053.pdf?src-supplier=Future+Electronics, ComponentLink7URL=https://datasheet.octopart.com:443/ISL60002DIH326Z-TK-Renesas-datasheet-23692053.pdf?src-supplier=Future+Electronics, ComponentLink8Description=http://sigma.octopart.com:80/conflict_mineral_statement/Renesas-company-44.pdf?src-supplier=Compliance+Statements, ComponentLink8URL=http://sigma.octopart.com:80/conflict_mineral_statement/Renesas-company-44.pdf?src-supplier=Compliance+Statements, ComponentLink9Description=http://sigma.octopart.com:80/reach_statement/Renesas-company-45.pdf?src-supplier=Compliance+Statements, ComponentLink9URL=http://sigma.octopart.com:80/reach_statement/Renesas-company-45.pdf?src-supplier=Compliance+Statements, Export Control Classification Number (ECCN) Code=EAR99, Harmonized Tariff Schedule (HTS) Code=8540000000, Height=0m, Height - Seated (Max)=1.12mm, Length=2.9mm, Lifecycle Status=Production, Manufacturer Part Number=ISL60002DIH326Z-TK, Min Supply Voltage=2.8V, Mounting Technology="Surface Mount", MSL=1, Nominal Output Voltage=2.6V, Number of Circuits=1, Number of Outputs=1, Number of Terminals=3, Operating Supply Current=900nA, Output Current=7mA, Output Type=Fixed, Output Voltage=2.6V, Part Family=ISL60002DIH326, Pins=3, Pitch=0m, Pricing 1="1=17.1493, 1=2.0645, 1=18.7211, 1=2.346, 10=16.7772, 10=2.0197, 10=18.3149, 10=2.2951, 30=16.5287, 30=1.9898, 30=18.0436, 30=2.2611, 100=16.2801, 100=1.9599, 100=17.7723, 100=2.2271 (CNY)", Radiation Hardening=No, REACH SVHC=Yes, Reference Type=Series, Reference Voltage=2.6V, RoHS=Compliant, Stock 1=50, Supplier 1=LCSC, Terminal Pitch=950µm, Width=1.3mm